# Altium PCB stm32 Anti-Wandering.PcbDoc
Units mm, origin at the board's own origin, x right, y up, seen from the top; angles counter-clockwise.
Board outline 100 x 100 mm, 2 copper layers (Top Layer, Bottom Layer); 20 components, 46 nets, 115 pads, 4 vias.
Unrouted connection lines stored in the file: 6.
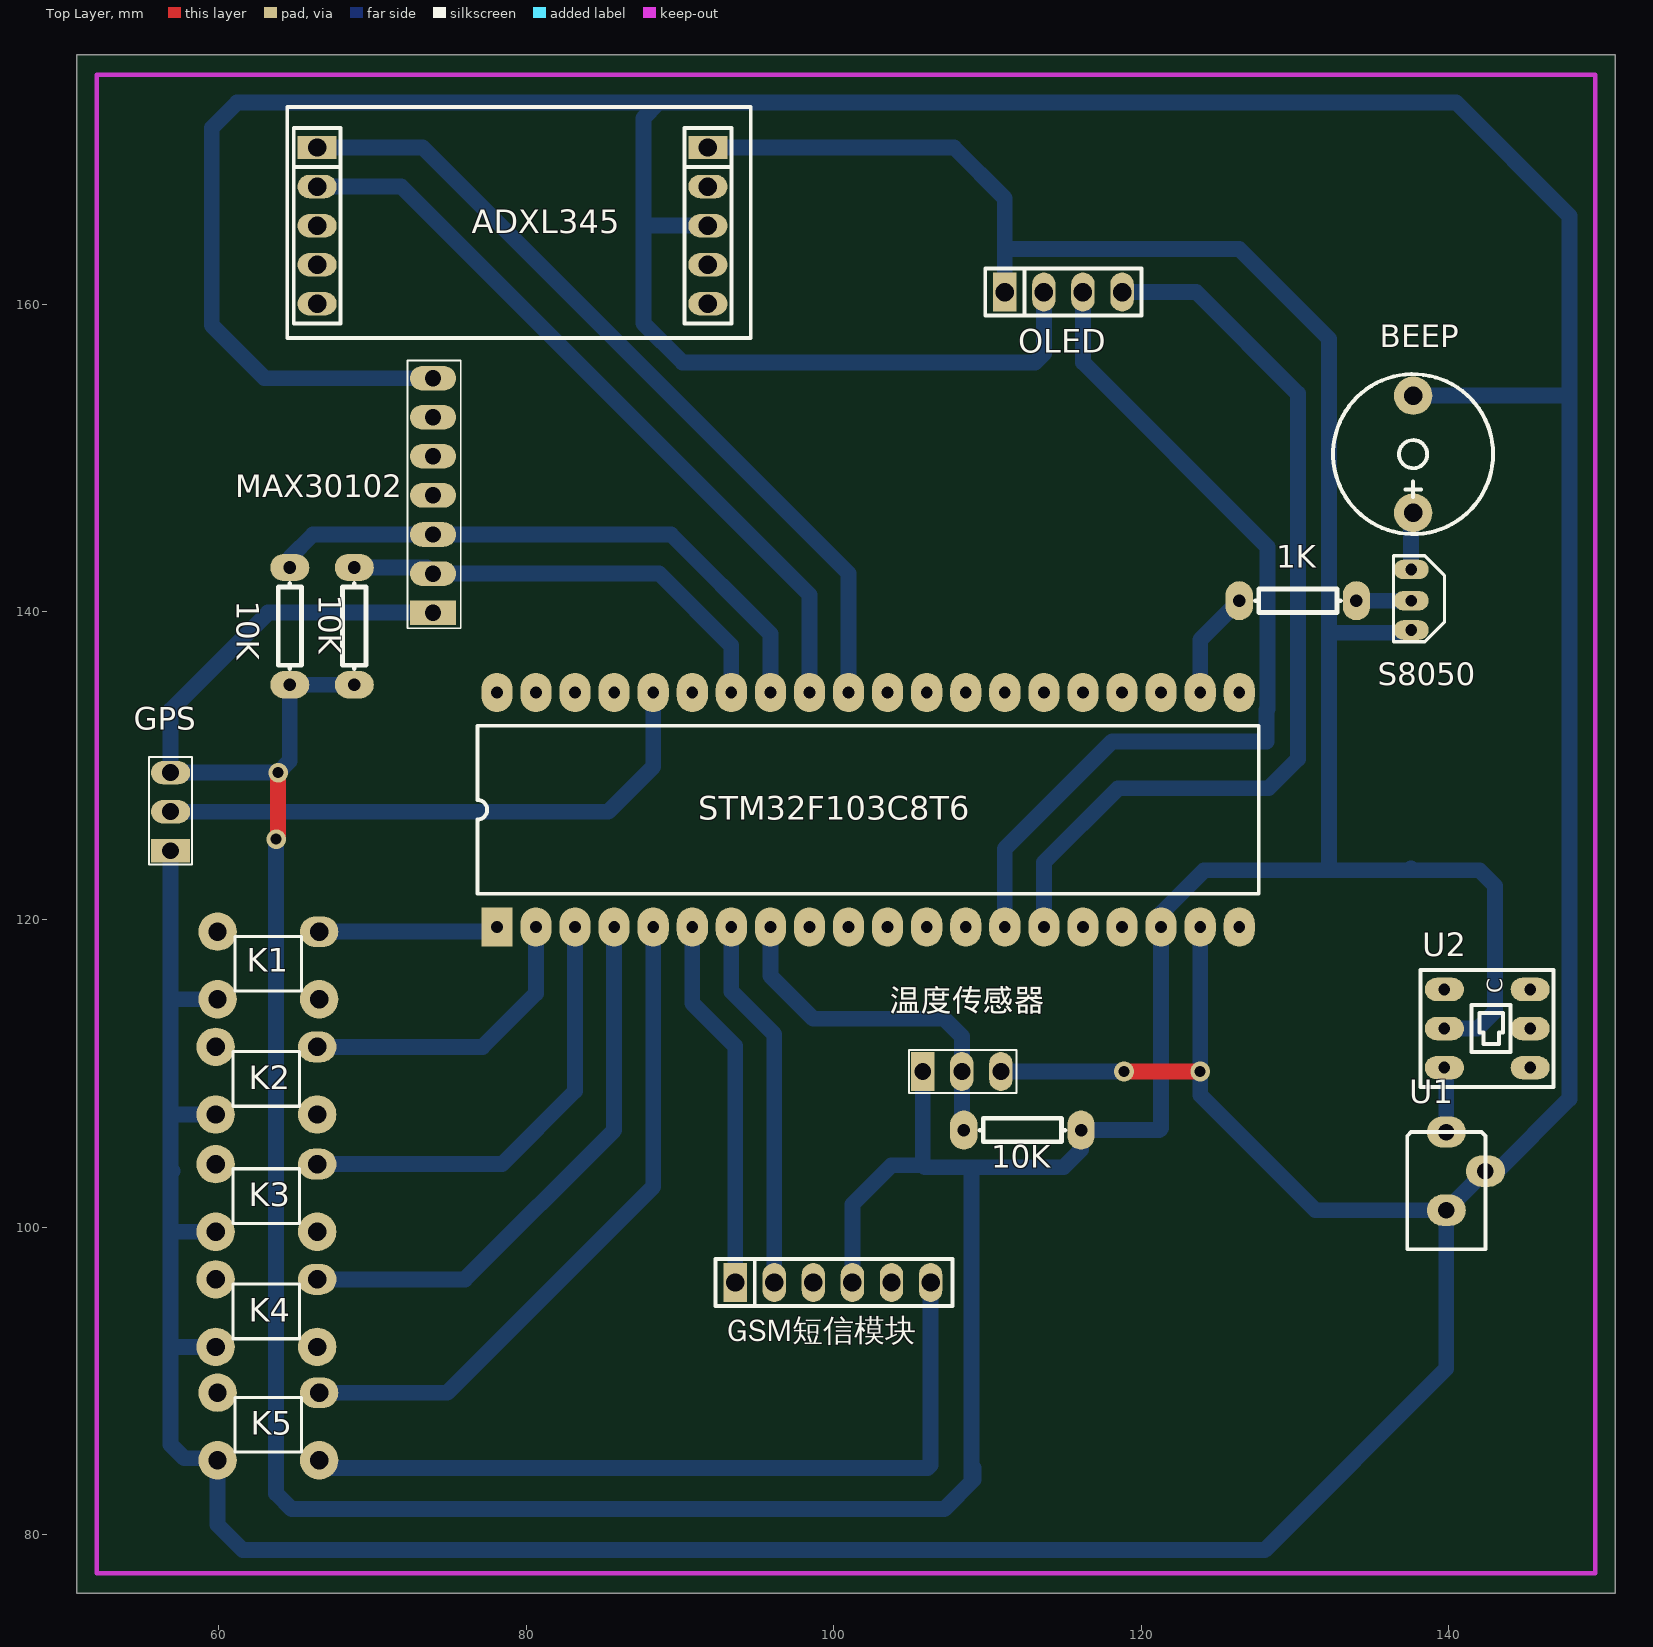
[diagram p0: Top Layer view]
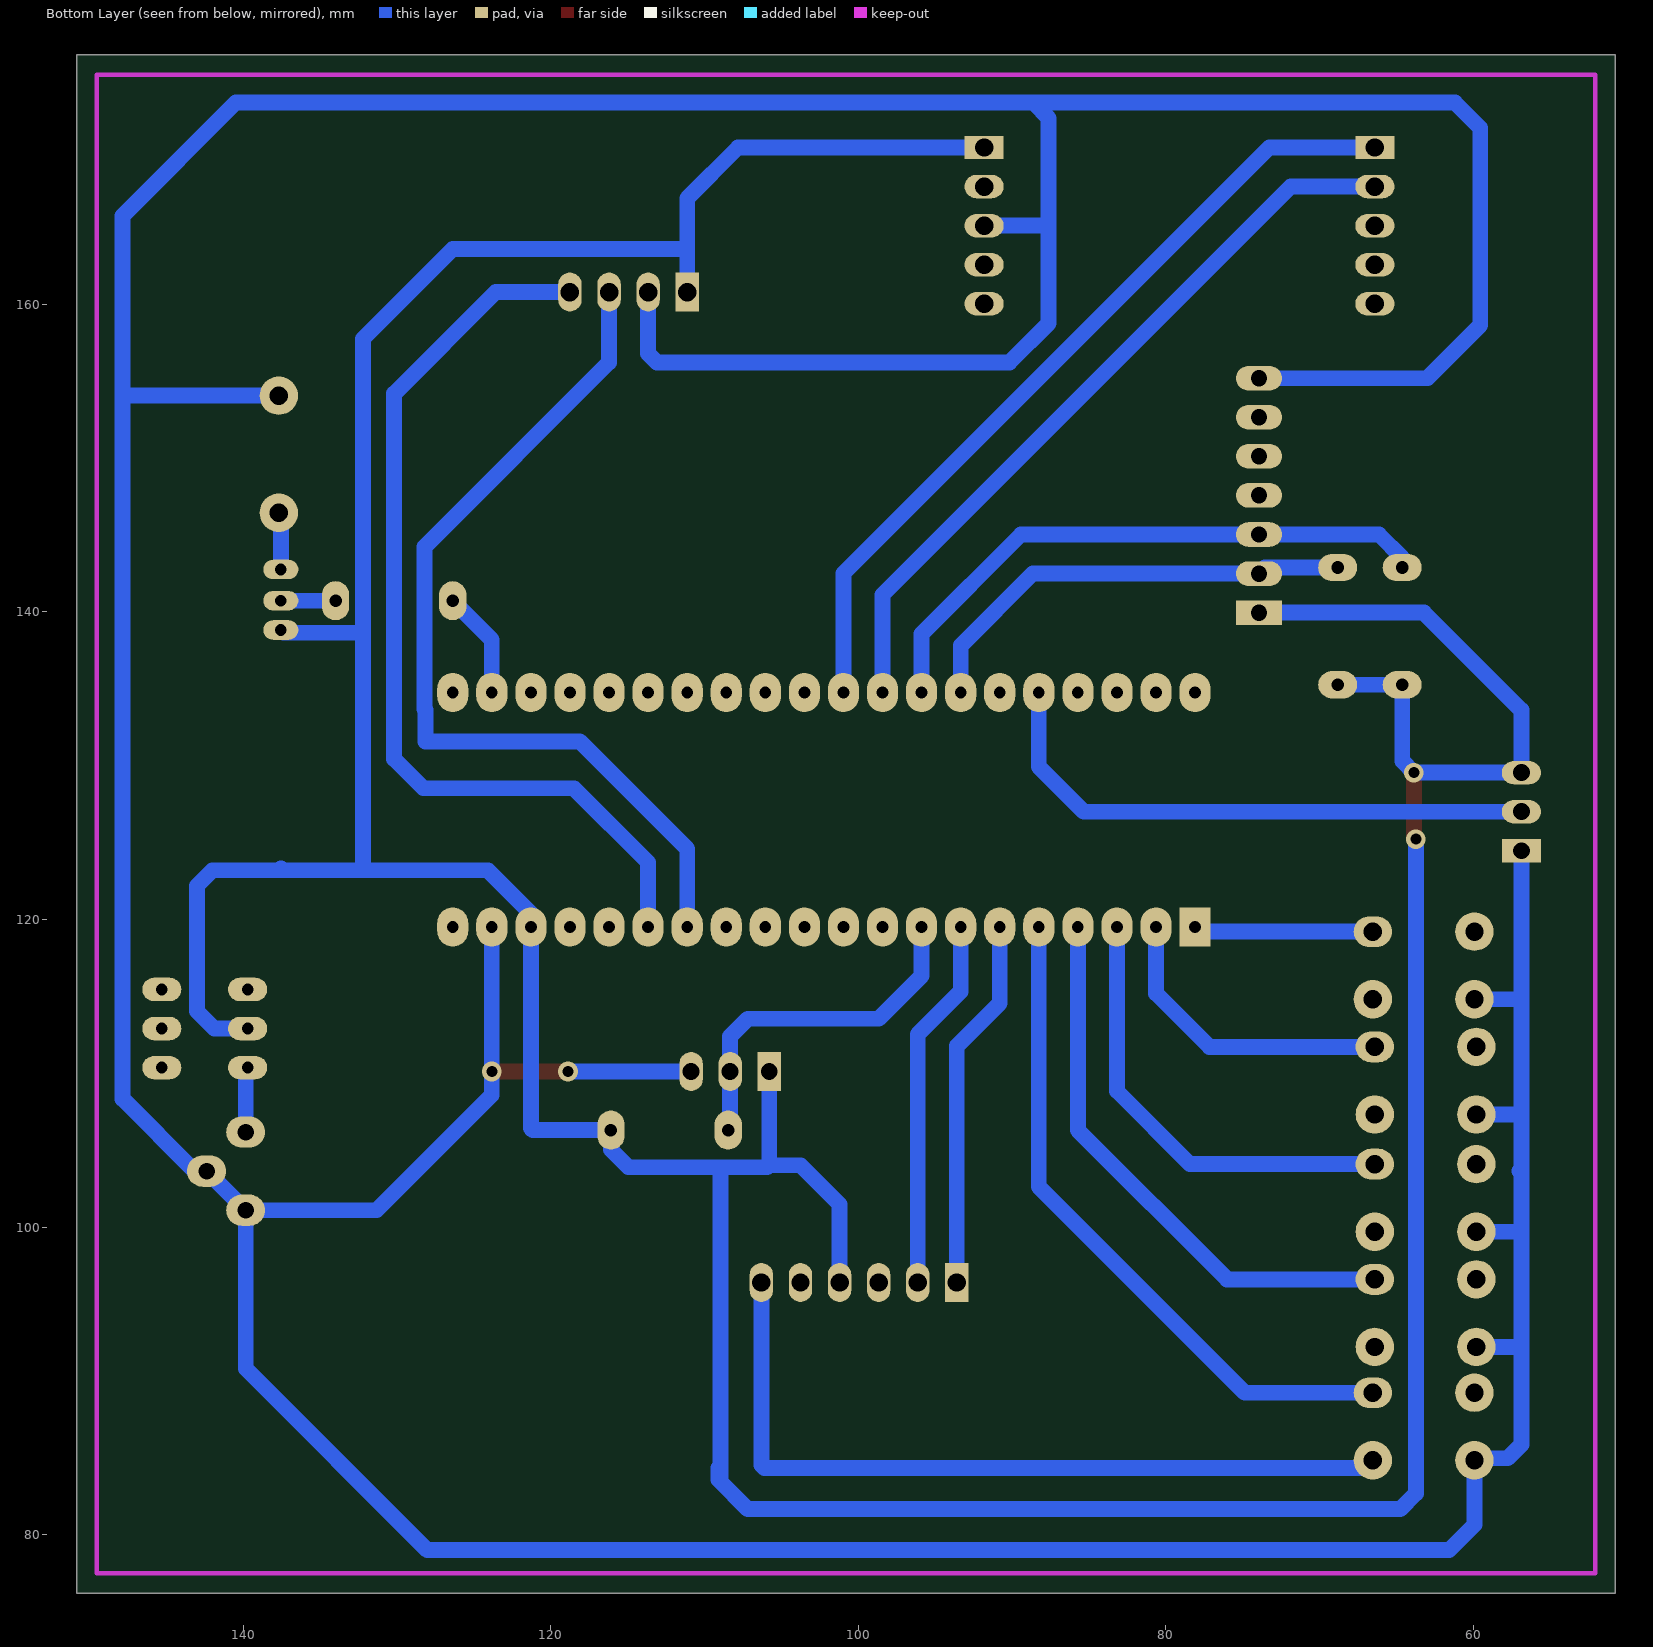
[diagram p1: Bottom Layer view, seen from below]

## Layer stack, top to bottom
Top Layer: signal copper 0.0356
Dielectric: dielectric 0.32, FR-4, Dk 4.8
Bottom Layer: signal copper 0.0356

## Board outline
50.8,76.2 150.8,76.2 150.8,176.2 50.8,176.2

## Design rules (kind name [scope] priority, off if disabled: settings)
Clearance [All] p1: gap=0.3
PolygonConnect [All] p1: connectstyle=Relief reliefconductorwidth=0.254 reliefentries=4 polygonreliefangle="90 Angle"
RoutingVias [All] p1: holewidth=0.8 width=1.6 viastyle="Through Hole" minholewidth=0.711 minwidth=1.27 maxholewidth=0.711 maxwidth=1.27
SilkscreenOverComponentPads [All] p1: minsilkscreentomaskgap=0.254
SolderMaskExpansion [All] p1: expansion=0.102
Width [All] p1: maxlimit=1.03 minlimit=1.03 preferedwidth=1.03
27 further rules are at their usual default settings.

## Classes and differential pairs
component class Sheet1: K1 K2 OLED STM32F103C8T6 U1 U2

## Components (designator, comment, footprint, x,y, rotation, side; value= is the part's Value field where it differs from the comment)
1K "CON4" R-DIP 133.985,140.716 r180 top (schematic designator U34)
10K "CON4" R-DIP 68.834,142.875 r270 top (schematic designator U34)
10K "CON4" R-DIP 64.643,142.875 r270 top (schematic designator U34)
10K "CON4" R-DIP 108.458,106.299 r0 top (schematic designator U34)
ADXL345 "ADXL345" ADXL345 66.421,170.18 r0 top (schematic designator U)
BEEP "CON4" BEEP 137.668,146.431 r90 top (schematic designator U34)
GPS "CON4" SIP3 56.896,124.46 r90 top (schematic designator U34)
GSM短信模块 "CON4" SIP6 93.599,96.393 r0 top (schematic designator U34)
K1 "KEY1" KEY1 59.944,114.808 r180 top
K2 "KEY1" KEY1 59.817,107.315 r180 top
K3 "KEY1" KEY1 59.817,99.695 r180 top (schematic designator K2)
K4 "KEY1" KEY1 59.817,92.202 r180 top (schematic designator K2)
K5 "KEY1" KEY1 59.944,84.836 r180 top (schematic designator K2)
MAX30102 "CON4" SIP7 73.914,139.954 r90 top (schematic designator U34)
OLED "CON4" SIP4 111.125,160.782 r0 top (schematic designator U34)
S8050 "CON4" PNP 137.414,140.716 r270 top (schematic designator U34)
STM32F103C8T6 "STM32核心板" STC 78.105,119.507 r90 top (schematic designator U4)
U1 "POW" DCM 139.827,106.172 r90 top
U2 "SWITCH" KG1 139.7,110.363 r90 top
温度传感器 "CON4" SIP3 105.791,110.109 r0 top (schematic designator U34)

## Footprints (in the part's own frame and the unit in brackets; to place one, negate y for a bottom-side part, rotate by r counter-clockwise, add the part's x,y. Pads: shape width x height; smd on the part's side, far side on the other; paste and mask are expansions set on the pad)
ADXL345 [mm]
  rect 2.54x1.524 hole 1.2: 1(0,0) 10(25.4,0)
  oval 2.54x1.524 hole 1.2: 2(0,-2.54) 3(0,-5.08) 4(0,-7.62) 5(0,-10.16) 6(25.4,-10.16) 7(25.4,-7.62) 8(25.4,-5.08) 9(25.4,-2.54)
  silkscreen extent -1.94,-12.4 28.19,2.64
BEEP [mm]
  round 2.5 hole 1.2: 1(0,0) 2(7.62,0)
  silkscreen extent -1.38,-5.2 9.02,5.2
DCM [mil]
  oval 80x100 hole 42: 1(0,0) 2(-200,0) 3(-100,-100)
  silkscreen extent -300,-100 0,100
KEY1 [mm]
  round 2.5 hole 1.194: 1(-6.604,0) 1(0,0) 2(0,-4.394)
  oval 2.5x2 hole 1.194: 2(-6.604,-4.394)
  silkscreen extent -5.46,-4.09 -1.14,-0.53
KG1 [mil]
  oval 60x100 hole 30: 1(0,0) 2(0,-219.69) 3(100,0) 4(100,-219.69) 5(200,0) 6(200,-219.69)
  silkscreen extent -50,-280 250,61
PNP [mil]
  oval 50x90 hole 30: 1(0,5) 2(-80,5) 3(75,5)
  silkscreen extent -115,-40 105,90
R-DIP [mil]
  oval 70x100 hole 32: 1(0,0) 2(300,0)
  silkscreen extent 41,-30 259,30
SIP3 [mm]
  rect 1.524x2.54 hole 1.1: 1(0,0)
  oval 1.524x2.54 hole 1.1: 2(2.54,0) 3(5.08,0)
  silkscreen extent -0.89,-1.4 6.1,1.4
SIP4 [mm]
  rect 1.524x2.54 hole 1.2: 1(0,0)
  oval 1.524x2.54 hole 1.2: 2(2.54,0) 3(5.08,0) 4(7.62,0)
  silkscreen extent -1.27,-1.52 8.89,1.52
SIP6 [mm]
  rect 1.524x2.54 hole 1.2: 1(0,0)
  oval 1.524x2.54 hole 1.2: 2(2.54,0) 3(5.08,0) 4(7.62,0) 5(10.16,0) 6(12.7,0)
  silkscreen extent -1.27,-1.52 14.13,1.52
SIP7 [mm]
  rect 1.6x3 hole 1.067: 1(-0.013,-0.038)
  oval 1.6x3 hole 1.067: 2(2.527,-0.038) 3(5.067,-0.038) 4(7.607,-0.038) 5(10.147,-0.038) 6(12.687,-0.038) 7(15.227,-0.038)
  silkscreen extent -1.03,-1.84 16.38,1.63
STC [mil]
  rect 100x80 hole 30: 1(0,0)
  oval 100x80 hole 30: 2(0,-100) 3(0,-200) 4(0,-300) 5(0,-400) 6(0,-500) 7(0,-600) 8(0,-700) 9(0,-800) 10(0,-900) 11(0,-1000) 12(0,-1100) 13(0,-1200) 14(0,-1300) 15(0,-1400) 16(0,-1500) 17(0,-1600) 18(0,-1700) 19(0,-1800) 20(0,-1900) 21(600,-1900) 22(600,-1800) 23(600,-1700) 24(600,-1600) 25(600,-1500) 26(600,-1400) 27(600,-1300) 28(600,-1200) 29(600,-1100) 30(600,-1000) 31(600,-900) 32(600,-800) 33(600,-700) 34(600,-600) 35(600,-500) 36(600,-400) 37(600,-300) 38(600,-200) 39(600,-100) 40(600,0)
  silkscreen extent 85,-1950 515,50

## Via types
v1: diameter 1.27, hole 0.711, Top Layer to Bottom Layer, 4 vias

## Nets (pads, with @x,y where several pads share a name; then routed paths per layer and width w, separated by ;. In a path a pad name is that pad's centre, name@x,y a point inside that pad or via, vN(x,y) a via of type N, cw(c..) or ccw(c..) an arc to the next point about the centre after c; other vN are vias at no path point)
1: 
2: 
3: 1K.1 S8050.1 | length 3.6
  Bottom Layer w1.03: 1K.1 S8050.1
4: BEEP.1 S8050.2 | length 3.7
  Bottom Layer w1.03: S8050.2 137.541,146.304 BEEP.1
5: K5.2@66.548,89.23 STM32F103C8T6.5 | length 44.2
  Bottom Layer w1.03: K5.2@66.548,89.23 74.879,89.23 88.265,102.616 STM32F103C8T6.5
6: 
7: 
8: 
9: 
10: 
11: 
12: 
13: 
+3V3: STM32F103C8T6.20
A9: GSM短信模块.1 STM32F103C8T6.6 | length 24.3
  Bottom Layer w1.03: STM32F103C8T6.6 90.805,114.554 93.599,111.76 GSM短信模块.1
A10: GSM短信模块.2 STM32F103C8T6.7 | length 24.3
  Bottom Layer w1.03: STM32F103C8T6.7 93.345,115.316 96.139,112.522 GSM短信模块.2
AD: 
ADC: 
ALERT: GPS.2 STM32F103C8T6.36 | length 37.4
  Bottom Layer w1.03: GPS.2 85.344,127 88.265,129.921 STM32F103C8T6.36
CE: STM32F103C8T6.24
CS: 
DATA: 
DI: 
GND: ADXL345.8 BEEP.2 GPS.1 GSM短信模块.6 K1.1 K2.1 K3.1@59.817,99.695 K4.1 K5.1 MAX30102.7 OLED.2 STM32F103C8T6.19 U1.2 U1.3 温度传感器.3 | length 498.3
  Top Layer w1.03: v1(118.872,110.109) v1(123.825,110.109)
  Bottom Layer w1.03: GPS.1@56.896,124.079 56.896,114.808 ; 57.023,103.632 56.896,103.505 ; K4.1@59.817,92.202 57.15,92.202 56.896,92.456 ; K3.1@59.817,99.695 56.896,99.695 ; K2.1@59.817,107.315 56.896,107.315 ; K1.1@59.944,114.808 56.896,114.808 ; K5.1@66.548,84.836 67.056,84.328 106.093,84.328 106.299,84.534 GSM短信模块.6 ; MAX30102.7 63.005,155.181 59.563,158.623 59.563,171.45 61.214,173.101 88.646,173.101 ; ADXL345.8 87.884,165.1 87.63,165.354 ; 温度传感器.3 v1(118.872,110.109) ; OLED.2 113.665,156.778 113.097,156.21 90.17,156.21 87.63,158.75 87.63,165.354 ; STM32F103C8T6.19 v1(123.825,110.109) 123.825,108.585 131.318,101.092 U1.2 ; BEEP.2 147.828,154.051 ; 56.896,92.456 56.896,99.695 ; 56.896,92.456 56.896,85.852 57.785,84.963 59.944,84.963 59.944,80.645 61.595,78.994 128.016,78.994 139.827,90.805 U1.2 ; 56.896,99.695 56.896,103.505 ; 56.896,103.505 56.896,107.315 ; 56.896,107.315 56.896,114.808 ; 87.63,165.354 87.63,172.085 88.646,173.101 ; 88.646,173.101 140.462,173.101 147.828,165.735 147.828,154.051 ; U1.2 U1.3 143.129,103.632 147.828,108.331 147.828,154.051
IN4007: 
IO: STM32F103C8T6.23
K1: K1.2 STM32F103C8T6.1 | length 11.7
  Bottom Layer w1.03: K1.2@66.548,119.202 68.783,119.202 77.8,119.202 STM32F103C8T6.1
K2: K2.2 STM32F103C8T6.2 | length 20
  Bottom Layer w1.03: K2.2@66.421,111.709 77.165,111.709 80.645,115.189 STM32F103C8T6.2
K3: K3.2@66.421,104.089 STM32F103C8T6.3 | length 29.4
  Bottom Layer w1.03: K3.2@66.421,104.089 78.435,104.089 83.185,108.839 STM32F103C8T6.3
K4: K4.2@66.421,96.596 STM32F103C8T6.4 | length 36.5
  Bottom Layer w1.03: K4.2@66.421,96.596 76.022,96.596 85.725,106.299 STM32F103C8T6.4
NetR5_2: 
NetU1_1: U1.1 U2.1 | length 4.2
  Bottom Layer w1.03: U2.1 139.827,110.236 U1.1
NetU7_3: 
NewNet: 
OUT: 
SCCL: ADXL345.1 STM32F103C8T6.31 | length 53.8
  Bottom Layer w1.03: ADXL345.1 73.279,170.18 100.965,142.494 STM32F103C8T6.31
SCL: OLED.3 STM32F103C8T6.14 | length 59.2
  Bottom Layer w1.03: STM32F103C8T6.14 111.125,124.587 118.11,131.572 128.143,131.572 128.143,133.629 128.196,133.682 128.196,144.219 116.205,156.21 OLED.3
SCL3: 10K.1@68.834,142.875 MAX30102.2 STM32F103C8T6.34 | length 29.7
  Bottom Layer w1.03: 10K.1@68.834,142.875 73.557,142.875 73.938,142.494 88.646,142.494 93.345,137.795 STM32F103C8T6.34
SCLK: 1K.2 STM32F103C8T6.22 | length 7
  Bottom Layer w1.03: STM32F103C8T6.22 123.825,138.176 1K.2
SDA: ADXL345.2 STM32F103C8T6.32 | length 49.3
  Bottom Layer w1.03: ADXL345.2 71.882,167.64 98.425,141.097 STM32F103C8T6.32
SDL: OLED.4 STM32F103C8T6.15 | length 61.4
  Bottom Layer w1.03: STM32F103C8T6.15 113.665,123.698 118.491,128.524 128.27,128.524 130.175,130.429 130.175,154.178 123.571,160.782 OLED.4
SDL3: 10K.1@64.643,142.875 MAX30102.3 STM32F103C8T6.33 | length 39
  Bottom Layer w1.03: 10K.1@64.643,142.875 64.643,143.51 66.154,145.021 MAX30102.3 89.421,145.021 95.885,138.557 STM32F103C8T6.33
VCC: 10K.2 ADXL345.10 GPS.3 GSM短信模块.4 MAX30102.1 OLED.1 S8050.3 STM32F103C8T6.18 U2.3 温度传感器.1 | length 329.6
  Top Layer w1.03: v1(63.754,125.222) 63.881,125.349 v1(63.881,129.54)
  Bottom Layer w1.03: v1(63.754,125.222) 63.754,82.677 64.77,81.661 107.188,81.661 109.093,83.566 ; 10K.2@68.834,135.255 64.643,135.255 64.643,130.302 v1(63.881,129.54) GPS.3 56.896,133.604 63.233,139.941 MAX30102.1 ; ADXL345.10 107.823,170.18 111.125,166.878 111.125,163.576 ; GSM短信模块.4 101.219,101.473 103.759,104.013 105.791,104.013 ; 温度传感器.1 105.791,104.013 ; OLED.1 111.125,163.576 ; 137.541,123.317 137.414,123.19 ; S8050.3 137.361,138.631 132.408,138.631 132.207,138.43 ; U2.3 141.859,112.903 143.002,114.046 143.002,122.174 141.986,123.19 137.414,123.19 ; 105.791,104.013 105.918,103.886 108.839,103.886 ; 108.839,103.886 108.966,103.759 108.966,84.455 ; 108.839,103.886 114.935,103.886 116.078,105.029 116.078,106.299 121.158,106.299 121.285,106.426 STM32F103C8T6.18 121.285,120.396 124.079,123.19 132.207,123.19 ; 108.966,84.455 109.093,84.328 109.093,83.566 ; 108.966,84.455 108.966,83.693 109.093,83.566 ; 111.125,163.576 126.365,163.576 132.207,157.734 132.207,138.43 ; 132.207,123.19 137.414,123.19 ; 132.207,123.19 132.207,138.43
WEN: 10K.1@108.458,106.299 STM32F103C8T6.8 温度传感器.2 | length 23.3
  Bottom Layer w1.03: STM32F103C8T6.8 95.885,116.332 98.679,113.538 107.188,113.538 108.331,112.395 温度传感器.2 108.331,106.553 10K.1@108.204,106.426
XTL: 
XTL2: 
pads on no net: ADXL345.3 ADXL345.4 ADXL345.5 ADXL345.6 ADXL345.7 ADXL345.9 GSM短信模块.3 GSM短信模块.5 K3.1@66.421,99.695 K3.2@59.817,104.089 K4.2@59.817,96.596 K5.2@59.944,89.23 MAX30102.4 MAX30102.5 MAX30102.6 STM32F103C8T6.9 STM32F103C8T6.10 STM32F103C8T6.11 STM32F103C8T6.12 STM32F103C8T6.13 STM32F103C8T6.16 STM32F103C8T6.17 STM32F103C8T6.21 STM32F103C8T6.25 STM32F103C8T6.26 STM32F103C8T6.27 STM32F103C8T6.28 STM32F103C8T6.29 STM32F103C8T6.30 STM32F103C8T6.35 STM32F103C8T6.37 STM32F103C8T6.38 STM32F103C8T6.39 STM32F103C8T6.40 U2.2 U2.4 U2.5 U2.6

## Keep-outs
Keep-Out Layer:
  lines w0.3: 52.1,77.5 52.1,174.9 149.5,174.9 149.5,77.5 52.1,77.5

## Silkscreen, mask and mechanical layers (free items; w line width, h text height)
Drill Drawing:
  text ".LEGEND" at 155.88,81.28 h1.52
  text "Drill Drawing." at 155.88,78.74 h1.52

## Dimensions
52.1,77.5 to 52.1,174.9 on Mechanical 1
52.1,77.5 to 149.5,77.5 on Mechanical 1

## Text inside footprints (layer, text, board x,y; h text height)
U2: Top Overlay "C" at 143.502,115.189 h1.02 r90